# KiCad board woodpecker.kicad_pcb (continued)
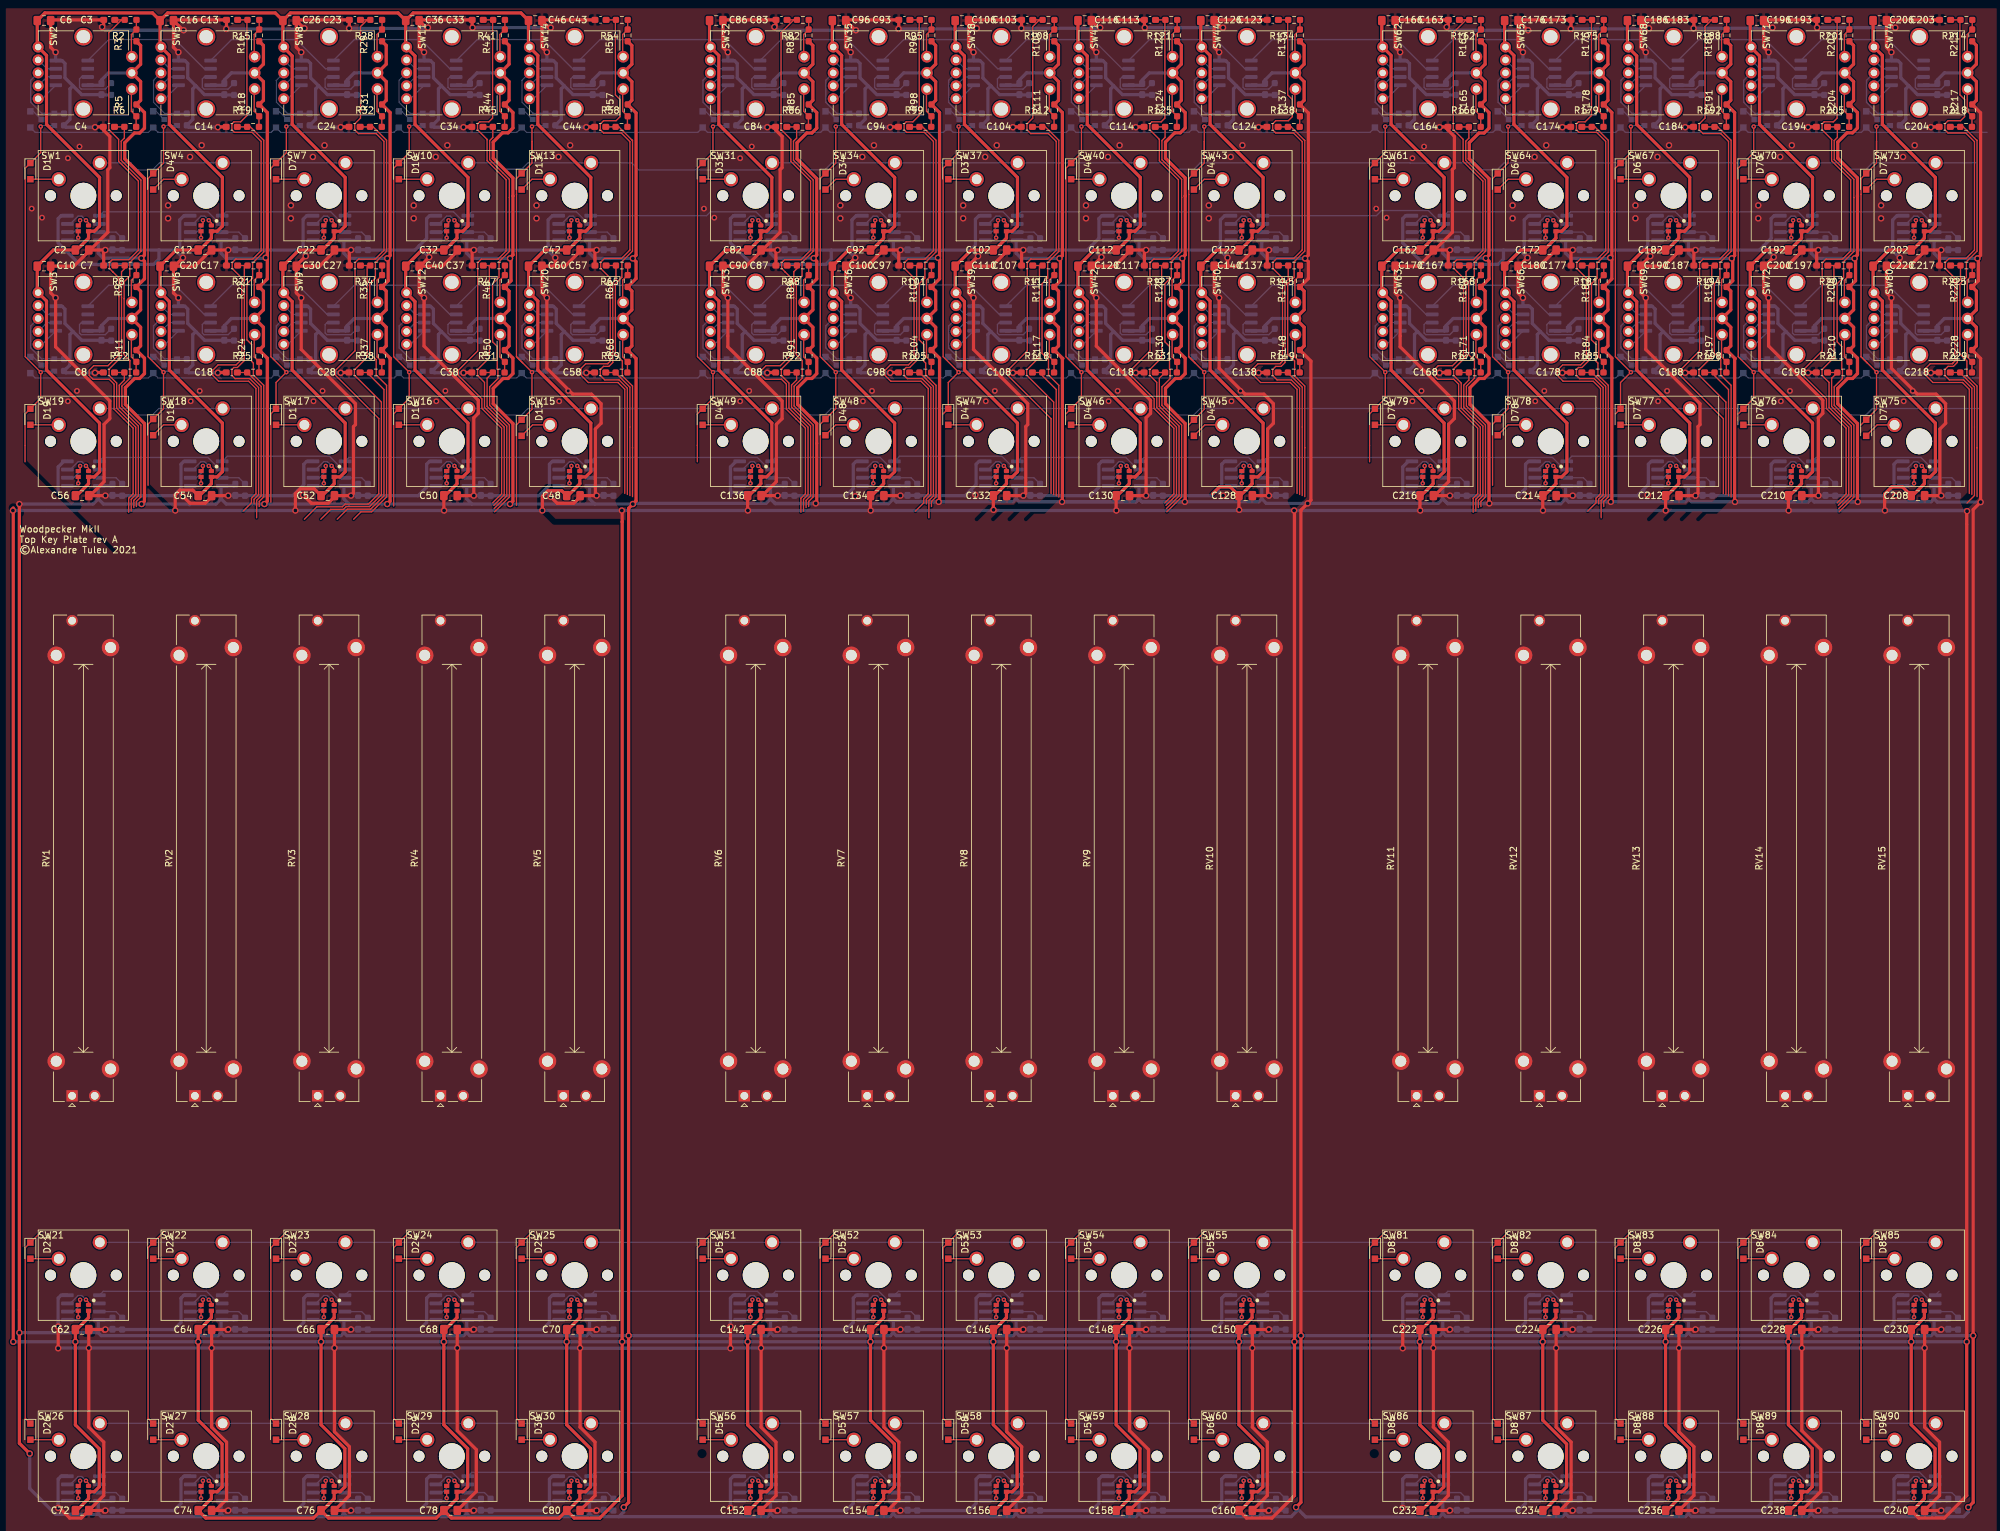
[diagram p0: board, top side]
## Routing (per net, layer and track width the routed paths; a pad name or vN(x,y) marks a point on that pad's centre or on a via; arc(x,y) is an arc through that point) (continued)
Net-(SW38-Pad4): length 3.3
  Bottom w0.2: SW38.4 144.56,223.03 U38.3
Net-(SW39-Pad1): length 3.6
  Bottom w0.2: SW39.1 143.83,180.4 U39.1
Net-(SW39-Pad2): length 3.3
  Bottom w0.2: SW39.2 144.56,183.76 U39.2
Net-(SW39-Pad4): length 3.3
  Bottom w0.2: SW39.4 144.56,185.04 U39.3
Net-(SW40-Pad1): length 4.6
  Top w0.2: v3(169.6,199.6) 170,199.2 SW40.1
  Bottom w0.2: U40.3 167.17,199.03 168.39,200.25 168.95,200.25 v3(169.6,199.6)
Net-(SW40-Pad2): length 4.1
  Top w0.2: SW40.2 168.69,199.09 v3(168.69,199.59)
  Bottom w0.2: U40.2 167.7,197.77 168.69,198.75 v3(168.69,199.59)
Net-(SW40-Pad4): length 2.8
  Top w0.2: v3(168.4,196.9) SW40.4
  Bottom w0.2: v3(168.4,196.9) 167.99,196.5 U40.1
Net-(SW41-Pad1): length 3.6
  Bottom w0.2: SW41.1 162.83,218.4 U41.1
Net-(SW41-Pad2): length 3.3
  Bottom w0.2: SW41.2 163.56,221.77 U41.2
Net-(SW41-Pad4): length 3.3
  Bottom w0.2: SW41.4 163.56,223.03 U41.3
Net-(SW42-Pad1): length 3.6
  Bottom w0.2: SW42.1 162.83,180.4 U42.1
Net-(SW42-Pad2): length 3.3
  Bottom w0.2: SW42.2 163.56,183.76 U42.2
Net-(SW42-Pad4): length 3.3
  Bottom w0.2: SW42.4 163.56,185.04 U42.3
Net-(SW43-Pad1): length 4.6
  Top w0.2: v3(188.6,199.6) 189,199.2 SW43.1
  Bottom w0.2: U43.3 186.17,199.03 187.39,200.25 187.95,200.25 v3(188.6,199.6)
Net-(SW43-Pad2): length 4.1
  Top w0.2: SW43.2 187.69,199.09 v3(187.69,199.59)
  Bottom w0.2: U43.2 186.7,197.77 187.69,198.75 v3(187.69,199.59)
Net-(SW43-Pad4): length 2.8
  Top w0.2: v3(187.4,196.9) SW43.4
  Bottom w0.2: v3(187.4,196.9) 186.99,196.5 U43.1
Net-(SW44-Pad1): length 3.6
  Bottom w0.2: SW44.1 181.83,218.4 U44.1
Net-(SW44-Pad2): length 3.3
  Bottom w0.2: SW44.2 182.56,221.77 U44.2
Net-(SW44-Pad4): length 3.3
  Bottom w0.2: SW44.4 182.56,223.03 U44.3
Net-(SW45-Pad1): length 4.6
  Top w0.2: v3(188.6,161.6) 189,161.2 SW45.1
  Bottom w0.2: U45.3 186.17,161.04 187.39,162.25 187.95,162.25 v3(188.6,161.6)
Net-(SW45-Pad2): length 4.1
  Top w0.2: SW45.2 187.69,161.09 v3(187.69,161.59)
  Bottom w0.2: U45.2 186.7,159.76 187.69,160.75 v3(187.69,161.59)
Net-(SW45-Pad4): length 2.8
  Top w0.2: v3(187.4,158.9) SW45.4
  Bottom w0.2: v3(187.4,158.9) 186.99,158.5 U45.1
Net-(SW46-Pad1): length 4.6
  Top w0.2: v3(169.6,161.6) 170,161.2 SW46.1
  Bottom w0.2: U46.3 167.17,161.04 168.39,162.25 168.95,162.25 v3(169.6,161.6)
Net-(SW46-Pad2): length 4.1
  Top w0.2: SW46.2 168.69,161.09 v3(168.69,161.59)
  Bottom w0.2: U46.2 167.7,159.76 168.69,160.75 v3(168.69,161.59)
Net-(SW46-Pad4): length 2.8
  Top w0.2: v3(168.4,158.9) SW46.4
  Bottom w0.2: v3(168.4,158.9) 167.99,158.5 U46.1
Net-(SW47-Pad1): length 4.6
  Top w0.2: v3(150.6,161.6) 151,161.2 SW47.1
  Bottom w0.2: U47.3 148.17,161.04 149.39,162.25 149.95,162.25 v3(150.6,161.6)
Net-(SW47-Pad2): length 4.1
  Top w0.2: SW47.2 149.69,161.09 v3(149.69,161.59)
  Bottom w0.2: U47.2 148.7,159.76 149.69,160.75 v3(149.69,161.59)
Net-(SW47-Pad4): length 2.8
  Top w0.2: v3(149.4,158.9) SW47.4
  Bottom w0.2: v3(149.4,158.9) 148.99,158.5 U47.1
Net-(SW48-Pad1): length 4.6
  Top w0.2: v3(131.6,161.6) 132,161.2 SW48.1
  Bottom w0.2: U48.3 129.17,161.04 130.39,162.25 130.95,162.25 v3(131.6,161.6)
Net-(SW48-Pad2): length 4.1
  Top w0.2: SW48.2 130.69,161.09 v3(130.69,161.59)
  Bottom w0.2: U48.2 129.7,159.76 130.69,160.75 v3(130.69,161.59)
Net-(SW48-Pad4): length 2.8
  Top w0.2: v3(130.4,158.9) SW48.4
  Bottom w0.2: v3(130.4,158.9) 129.99,158.5 U48.1
Net-(SW49-Pad1): length 4.6
  Top w0.2: v3(112.6,161.6) 113,161.2 SW49.1
  Bottom w0.2: U49.3 110.17,161.04 111.39,162.25 111.95,162.25 v3(112.6,161.6)
Net-(SW49-Pad2): length 4.1
  Top w0.2: SW49.2 111.69,161.09 v3(111.69,161.59)
  Bottom w0.2: U49.2 110.7,159.76 111.69,160.75 v3(111.69,161.59)
Net-(SW49-Pad4): length 2.8
  Top w0.2: v3(111.4,158.9) SW49.4
  Bottom w0.2: v3(111.4,158.9) 110.99,158.5 U49.1
Net-(SW50-Pad1): length 3.6
  Bottom w0.2: SW50.1 181.83,180.4 U50.1
Net-(SW50-Pad2): length 3.3
  Bottom w0.2: SW50.2 182.56,183.76 U50.2
Net-(SW50-Pad4): length 3.3
  Bottom w0.2: SW50.4 182.56,185.04 U50.3
Net-(SW51-Pad1): length 4.6
  Top w0.2: v3(112.6,32.6) 113,32.2 SW51.1
  Bottom w0.2: U51.3 110.17,32.03 111.39,33.25 111.95,33.25 v3(112.6,32.6)
Net-(SW51-Pad2): length 4.1
  Top w0.2: SW51.2 111.69,32.09 v3(111.69,32.59)
  Bottom w0.2: U51.2 110.7,30.77 111.69,31.75 v3(111.69,32.59)
Net-(SW51-Pad4): length 2.8
  Top w0.2: v3(111.4,29.9) SW51.4
  Bottom w0.2: v3(111.4,29.9) 110.99,29.5 U51.1
Net-(SW52-Pad1): length 4.6
  Top w0.2: v3(131.6,32.6) 132,32.2 SW52.1
  Bottom w0.2: U52.3 129.17,32.03 130.39,33.25 130.95,33.25 v3(131.6,32.6)
Net-(SW52-Pad2): length 4.1
  Top w0.2: SW52.2 130.69,32.09 v3(130.69,32.59)
  Bottom w0.2: U52.2 129.7,30.77 130.69,31.75 v3(130.69,32.59)
Net-(SW52-Pad4): length 2.8
  Top w0.2: v3(130.4,29.9) SW52.4
  Bottom w0.2: v3(130.4,29.9) 129.99,29.5 U52.1
Net-(SW53-Pad1): length 4.6
  Top w0.2: v3(150.6,32.6) 151,32.2 SW53.1
  Bottom w0.2: U53.3 148.17,32.03 149.39,33.25 149.95,33.25 v3(150.6,32.6)
Net-(SW53-Pad2): length 4.1
  Top w0.2: SW53.2 149.69,32.09 v3(149.69,32.59)
  Bottom w0.2: U53.2 148.7,30.77 149.69,31.75 v3(149.69,32.59)
Net-(SW53-Pad4): length 2.8
  Top w0.2: v3(149.4,29.9) SW53.4
  Bottom w0.2: v3(149.4,29.9) 148.99,29.5 U53.1
Net-(SW54-Pad1): length 4.6
  Top w0.2: v3(169.6,32.6) 170,32.2 SW54.1
  Bottom w0.2: U54.3 167.17,32.03 168.39,33.25 168.95,33.25 v3(169.6,32.6)
Net-(SW54-Pad2): length 4.1
  Top w0.2: SW54.2 168.69,32.09 v3(168.69,32.59)
  Bottom w0.2: U54.2 167.7,30.77 168.69,31.75 v3(168.69,32.59)
Net-(SW54-Pad4): length 2.8
  Top w0.2: v3(168.4,29.9) SW54.4
  Bottom w0.2: v3(168.4,29.9) 167.99,29.5 U54.1
Net-(SW55-Pad1): length 4.6
  Top w0.2: v3(188.6,32.6) 189,32.2 SW55.1
  Bottom w0.2: U55.3 186.17,32.03 187.39,33.25 187.95,33.25 v3(188.6,32.6)
Net-(SW55-Pad2): length 4.1
  Top w0.2: SW55.2 187.69,32.09 v3(187.69,32.59)
  Bottom w0.2: U55.2 186.7,30.77 187.69,31.75 v3(187.69,32.59)
Net-(SW55-Pad4): length 2.8
  Top w0.2: v3(187.4,29.9) SW55.4
  Bottom w0.2: v3(187.4,29.9) 186.99,29.5 U55.1
Net-(SW56-Pad1): length 4.6
  Top w0.2: v3(112.6,4.6) 113,4.2 SW56.1
  Bottom w0.2: U56.3 110.17,4.03 111.39,5.25 111.95,5.25 v3(112.6,4.6)
Net-(SW56-Pad2): length 4.1
  Top w0.2: SW56.2 111.69,4.09 v3(111.69,4.59)
  Bottom w0.2: U56.2 110.7,2.77 111.69,3.75 v3(111.69,4.59)
Net-(SW56-Pad4): length 2.8
  Top w0.2: v3(111.4,1.9) SW56.4
  Bottom w0.2: v3(111.4,1.9) 110.99,1.5 U56.1
Net-(SW57-Pad1): length 4.6
  Top w0.2: v3(131.6,4.6) 132,4.2 SW57.1
  Bottom w0.2: U57.3 129.17,4.03 130.39,5.25 130.95,5.25 v3(131.6,4.6)
Net-(SW57-Pad2): length 4.1
  Top w0.2: SW57.2 130.69,4.09 v3(130.69,4.59)
  Bottom w0.2: U57.2 129.7,2.77 130.69,3.75 v3(130.69,4.59)
Net-(SW57-Pad4): length 2.8
  Top w0.2: v3(130.4,1.9) SW57.4
  Bottom w0.2: v3(130.4,1.9) 129.99,1.5 U57.1
Net-(SW58-Pad1): length 4.6
  Top w0.2: v3(150.6,4.6) 151,4.2 SW58.1
  Bottom w0.2: U58.3 148.17,4.03 149.39,5.25 149.95,5.25 v3(150.6,4.6)
Net-(SW58-Pad2): length 4.1
  Top w0.2: SW58.2 149.69,4.09 v3(149.69,4.59)
  Bottom w0.2: U58.2 148.7,2.77 149.69,3.75 v3(149.69,4.59)
Net-(SW58-Pad4): length 2.8
  Top w0.2: v3(149.4,1.9) SW58.4
  Bottom w0.2: v3(149.4,1.9) 148.99,1.5 U58.1
Net-(SW59-Pad1): length 4.6
  Top w0.2: v3(169.6,4.6) 170,4.2 SW59.1
  Bottom w0.2: U59.3 167.17,4.03 168.39,5.25 168.95,5.25 v3(169.6,4.6)
Net-(SW59-Pad2): length 4.1
  Top w0.2: SW59.2 168.69,4.09 v3(168.69,4.59)
  Bottom w0.2: U59.2 167.7,2.77 168.69,3.75 v3(168.69,4.59)
Net-(SW59-Pad4): length 2.8
  Top w0.2: v3(168.4,1.9) SW59.4
  Bottom w0.2: v3(168.4,1.9) 167.99,1.5 U59.1
Net-(SW60-Pad1): length 4.6
  Top w0.2: v3(188.6,4.6) 189,4.2 SW60.1
  Bottom w0.2: U60.3 186.17,4.03 187.39,5.25 187.95,5.25 v3(188.6,4.6)
Net-(SW60-Pad2): length 4.1
  Top w0.2: SW60.2 187.69,4.09 v3(187.69,4.59)
  Bottom w0.2: U60.2 186.7,2.77 187.69,3.75 v3(187.69,4.59)
Net-(SW60-Pad4): length 2.8
  Top w0.2: v3(187.4,1.9) SW60.4
  Bottom w0.2: v3(187.4,1.9) 186.99,1.5 U60.1
Net-(SW61-Pad1): length 4.6
  Top w0.2: v3(216.6,199.6) 217,199.2 SW61.1
  Bottom w0.2: U61.3 214.17,199.03 215.39,200.25 215.95,200.25 v3(216.6,199.6)
Net-(SW61-Pad2): length 4.1
  Top w0.2: SW61.2 215.69,199.09 v3(215.69,199.59)
  Bottom w0.2: U61.2 214.7,197.77 215.69,198.75 v3(215.69,199.59)
Net-(SW61-Pad4): length 2.8
  Top w0.2: v3(215.4,196.9) SW61.4
  Bottom w0.2: v3(215.4,196.9) 214.99,196.5 U61.1
Net-(SW62-Pad1): length 3.6
  Bottom w0.2: SW62.1 209.83,218.4 U62.1
Net-(SW62-Pad2): length 3.3
  Bottom w0.2: SW62.2 210.56,221.77 U62.2
Net-(SW62-Pad4): length 3.3
  Bottom w0.2: SW62.4 210.56,223.03 U62.3
Net-(SW63-Pad1): length 3.6
  Bottom w0.2: SW63.1 209.83,180.4 U63.1
Net-(SW63-Pad2): length 3.3
  Bottom w0.2: SW63.2 210.56,183.76 U63.2
Net-(SW63-Pad4): length 3.3
  Bottom w0.2: SW63.4 210.56,185.04 U63.3
Net-(SW64-Pad1): length 4.6
  Top w0.2: v3(235.6,199.6) 236,199.2 SW64.1
  Bottom w0.2: U64.3 233.17,199.03 234.39,200.25 234.95,200.25 v3(235.6,199.6)
Net-(SW64-Pad2): length 4.1
  Top w0.2: SW64.2 234.69,199.09 v3(234.69,199.59)
  Bottom w0.2: U64.2 233.7,197.77 234.69,198.75 v3(234.69,199.59)
Net-(SW64-Pad4): length 2.8
  Top w0.2: v3(234.4,196.9) SW64.4
  Bottom w0.2: v3(234.4,196.9) 234,196.5 U64.1
Net-(SW65-Pad1): length 3.6
  Bottom w0.2: SW65.1 228.83,218.4 230.93,220.5
Net-(SW65-Pad2): length 3.3
  Bottom w0.2: SW65.2 229.56,221.77 230.93,221.77
Net-(SW65-Pad4): length 3.3
  Bottom w0.2: SW65.4 229.56,223.03 230.93,223.03
Net-(SW66-Pad1): length 3.6
  Bottom w0.2: SW66.1 228.83,180.4 230.93,182.5
Net-(SW66-Pad2): length 3.3
  Bottom w0.2: SW66.2 229.56,183.76 230.93,183.76
Net-(SW66-Pad4): length 3.3
  Bottom w0.2: SW66.4 229.56,185.04 230.93,185.04
Net-(SW67-Pad1): length 4.6
  Top w0.2: v3(254.6,199.6) 255,199.2 SW67.1
  Bottom w0.2: U67.3 252.17,199.03 253.39,200.25 253.95,200.25 v3(254.6,199.6)
Net-(SW67-Pad2): length 4.1
  Top w0.2: SW67.2 253.69,199.09 v3(253.69,199.59)
  Bottom w0.2: U67.2 252.7,197.77 253.69,198.75 v3(253.69,199.59)
Net-(SW67-Pad4): length 2.8
  Top w0.2: v3(253.4,196.9) SW67.4
  Bottom w0.2: v3(253.4,196.9) 253,196.5 U67.1
Net-(SW68-Pad1): length 3.6
  Bottom w0.2: SW68.1 247.83,218.4 U68.1
Net-(SW68-Pad2): length 3.3
  Bottom w0.2: SW68.2 248.56,221.77 U68.2
Net-(SW68-Pad4): length 3.3
  Bottom w0.2: SW68.4 248.56,223.03 U68.3
Net-(SW69-Pad1): length 3.6
  Bottom w0.2: SW69.1 247.83,180.4 U69.1
Net-(SW69-Pad2): length 3.3
  Bottom w0.2: SW69.2 248.56,183.76 U69.2
Net-(SW69-Pad4): length 3.3
  Bottom w0.2: SW69.4 248.56,185.04 U69.3
Net-(SW70-Pad1): length 4.6
  Top w0.2: v3(273.6,199.6) 274,199.2 SW70.1
  Bottom w0.2: U70.3 271.17,199.03 272.39,200.25 272.95,200.25 v3(273.6,199.6)
Net-(SW70-Pad2): length 4.1
  Top w0.2: SW70.2 272.69,199.09 v3(272.69,199.59)
  Bottom w0.2: U70.2 271.7,197.77 272.69,198.75 v3(272.69,199.59)
Net-(SW70-Pad4): length 2.8
  Top w0.2: v3(272.4,196.9) SW70.4
  Bottom w0.2: v3(272.4,196.9) 272,196.5 U70.1
Net-(SW71-Pad1): length 3.6
  Bottom w0.2: SW71.1 266.83,218.4 U71.1
Net-(SW71-Pad2): length 3.3
  Bottom w0.2: SW71.2 267.56,221.77 U71.2
Net-(SW71-Pad4): length 3.3
  Bottom w0.2: SW71.4 267.56,223.03 U71.3
Net-(SW72-Pad1): length 3.6
  Bottom w0.2: SW72.1 266.83,180.4 U72.1
Net-(SW72-Pad2): length 3.3
  Bottom w0.2: SW72.2 267.56,183.76 U72.2
Net-(SW72-Pad4): length 3.3
  Bottom w0.2: SW72.4 267.56,185.04 U72.3
Net-(SW73-Pad1): length 4.6
  Top w0.2: v3(292.6,199.6) 293,199.2 SW73.1
  Bottom w0.2: U73.3 290.17,199.03 291.39,200.25 291.95,200.25 v3(292.6,199.6)
Net-(SW73-Pad2): length 4.1
  Top w0.2: SW73.2 291.69,199.09 v3(291.69,199.59)
  Bottom w0.2: U73.2 290.7,197.77 291.69,198.75 v3(291.69,199.59)
Net-(SW73-Pad4): length 2.8
  Top w0.2: v3(291.4,196.9) SW73.4
  Bottom w0.2: v3(291.4,196.9) 291,196.5 U73.1
Net-(SW74-Pad1): length 3.6
  Bottom w0.2: SW74.1 285.83,218.4 U74.1
Net-(SW74-Pad2): length 3.3
  Bottom w0.2: SW74.2 286.56,221.77 U74.2
Net-(SW74-Pad4): length 3.3
  Bottom w0.2: SW74.4 286.56,223.03 U74.3
Net-(SW75-Pad1): length 4.6
  Top w0.2: v3(292.6,161.6) 293,161.2 SW75.1
  Bottom w0.2: U75.3 290.17,161.04 291.39,162.25 291.95,162.25 v3(292.6,161.6)
Net-(SW75-Pad2): length 4.1
  Top w0.2: SW75.2 291.69,161.09 v3(291.69,161.59)
  Bottom w0.2: U75.2 290.7,159.76 291.69,160.75 v3(291.69,161.59)
Net-(SW75-Pad4): length 2.8
  Top w0.2: v3(291.4,158.9) SW75.4
  Bottom w0.2: v3(291.4,158.9) 291,158.5 U75.1
Net-(SW76-Pad1): length 4.6
  Top w0.2: v3(273.6,161.6) 274,161.2 SW76.1
  Bottom w0.2: U76.3 271.17,161.04 272.39,162.25 272.95,162.25 v3(273.6,161.6)
Net-(SW76-Pad2): length 4.1
  Top w0.2: SW76.2 272.69,161.09 v3(272.69,161.59)
  Bottom w0.2: U76.2 271.7,159.76 272.69,160.75 v3(272.69,161.59)
Net-(SW76-Pad4): length 2.8
  Top w0.2: v3(272.4,158.9) SW76.4
  Bottom w0.2: v3(272.4,158.9) 272,158.5 U76.1
Net-(SW77-Pad1): length 4.6
  Top w0.2: v3(254.6,161.6) 255,161.2 SW77.1
  Bottom w0.2: U77.3 252.17,161.04 253.39,162.25 253.95,162.25 v3(254.6,161.6)
Net-(SW77-Pad2): length 4.1
  Top w0.2: SW77.2 253.69,161.09 v3(253.69,161.59)
  Bottom w0.2: U77.2 252.7,159.76 253.69,160.75 v3(253.69,161.59)
Net-(SW77-Pad4): length 2.8
  Top w0.2: v3(253.4,158.9) SW77.4
  Bottom w0.2: v3(253.4,158.9) 253,158.5 U77.1
Net-(SW78-Pad1): length 4.6
  Top w0.2: v3(235.6,161.6) 236,161.2 SW78.1
  Bottom w0.2: U78.3 233.17,161.04 234.39,162.25 234.95,162.25 v3(235.6,161.6)
Net-(SW78-Pad2): length 4.1
  Top w0.2: SW78.2 234.69,161.09 v3(234.69,161.59)
  Bottom w0.2: U78.2 233.7,159.76 234.69,160.75 v3(234.69,161.59)
Net-(SW78-Pad4): length 2.8
  Top w0.2: v3(234.4,158.9) SW78.4
  Bottom w0.2: v3(234.4,158.9) 234,158.5 U78.1
Net-(SW79-Pad1): length 4.6
  Top w0.2: v3(216.6,161.6) 217,161.2 SW79.1
  Bottom w0.2: U79.3 214.17,161.04 215.39,162.25 215.95,162.25 v3(216.6,161.6)
Net-(SW79-Pad2): length 4.1
  Top w0.2: SW79.2 215.69,161.09 v3(215.69,161.59)
  Bottom w0.2: U79.2 214.7,159.76 215.69,160.75 v3(215.69,161.59)
Net-(SW79-Pad4): length 2.8
  Top w0.2: v3(215.4,158.9) SW79.4
  Bottom w0.2: v3(215.4,158.9) 214.99,158.5 U79.1
Net-(SW80-Pad1): length 3.6
  Bottom w0.2: SW80.1 285.83,180.4 U80.1
Net-(SW80-Pad2): length 3.3
  Bottom w0.2: SW80.2 286.56,183.76 U80.2
Net-(SW80-Pad4): length 3.3
  Bottom w0.2: SW80.4 286.56,185.04 U80.3
Net-(SW81-Pad1): length 4.6
  Top w0.2: v3(216.6,32.6) 217,32.2 SW81.1
  Bottom w0.2: U81.3 214.17,32.03 215.39,33.25 215.95,33.25 v3(216.6,32.6)
Net-(SW81-Pad2): length 4.1
  Top w0.2: SW81.2 215.69,32.09 v3(215.69,32.59)
  Bottom w0.2: U81.2 214.7,30.77 215.69,31.75 v3(215.69,32.59)
Net-(SW81-Pad4): length 2.8
  Top w0.2: v3(215.4,29.9) SW81.4
  Bottom w0.2: v3(215.4,29.9) 214.99,29.5 U81.1
Net-(SW82-Pad1): length 4.6
  Top w0.2: v3(235.6,32.6) 236,32.2 SW82.1
  Bottom w0.2: U82.3 233.17,32.03 234.39,33.25 234.95,33.25 v3(235.6,32.6)
Net-(SW82-Pad2): length 4.1
  Top w0.2: SW82.2 234.69,32.09 v3(234.69,32.59)
  Bottom w0.2: U82.2 233.7,30.77 234.69,31.75 v3(234.69,32.59)
Net-(SW82-Pad4): length 2.8
  Top w0.2: v3(234.4,29.9) SW82.4
  Bottom w0.2: v3(234.4,29.9) 234,29.5 U82.1
Net-(SW83-Pad1): length 4.6
  Top w0.2: v3(254.6,32.6) 255,32.2 SW83.1
  Bottom w0.2: U83.3 252.17,32.03 253.39,33.25 253.95,33.25 v3(254.6,32.6)
Net-(SW83-Pad2): length 4.1
  Top w0.2: SW83.2 253.69,32.09 v3(253.69,32.59)
  Bottom w0.2: U83.2 252.7,30.77 253.69,31.75 v3(253.69,32.59)
Net-(SW83-Pad4): length 2.8
  Top w0.2: v3(253.4,29.9) SW83.4
  Bottom w0.2: v3(253.4,29.9) 253,29.5 U83.1
Net-(SW84-Pad1): length 4.6
  Top w0.2: v3(273.6,32.6) 274,32.2 SW84.1
  Bottom w0.2: U84.3 271.17,32.03 272.39,33.25 272.95,33.25 v3(273.6,32.6)
Net-(SW84-Pad2): length 4.1
  Top w0.2: SW84.2 272.69,32.09 v3(272.69,32.59)
  Bottom w0.2: U84.2 271.7,30.77 272.69,31.75 v3(272.69,32.59)
Net-(SW84-Pad4): length 2.8
  Top w0.2: v3(272.4,29.9) SW84.4
  Bottom w0.2: v3(272.4,29.9) 272,29.5 U84.1
Net-(SW85-Pad1): length 4.6
  Top w0.2: v3(292.6,32.6) 293,32.2 SW85.1
  Bottom w0.2: U85.3 290.17,32.03 291.39,33.25 291.95,33.25 v3(292.6,32.6)
Net-(SW85-Pad2): length 4.1
  Top w0.2: SW85.2 291.69,32.09 v3(291.69,32.59)
  Bottom w0.2: U85.2 290.7,30.77 291.69,31.75 v3(291.69,32.59)
Net-(SW85-Pad4): length 2.8
  Top w0.2: v3(291.4,29.9) SW85.4
  Bottom w0.2: v3(291.4,29.9) 291,29.5 U85.1
Net-(SW86-Pad1): length 4.6
  Top w0.2: v3(216.6,4.6) 217,4.2 SW86.1
  Bottom w0.2: U86.3 214.17,4.03 215.39,5.25 215.95,5.25 v3(216.6,4.6)
Net-(SW86-Pad2): length 4.1
  Top w0.2: SW86.2 215.69,4.09 v3(215.69,4.59)
  Bottom w0.2: U86.2 214.7,2.77 215.69,3.75 v3(215.69,4.59)
Net-(SW86-Pad4): length 2.8
  Top w0.2: v3(215.4,1.9) SW86.4
  Bottom w0.2: v3(215.4,1.9) 214.99,1.5 U86.1
Net-(SW87-Pad1): length 4.6
  Top w0.2: v3(235.6,4.6) 236,4.2 SW87.1
  Bottom w0.2: U87.3 233.17,4.03 234.39,5.25 234.95,5.25 v3(235.6,4.6)
Net-(SW87-Pad2): length 4.1
  Top w0.2: SW87.2 234.69,4.09 v3(234.69,4.59)
  Bottom w0.2: U87.2 233.7,2.77 234.69,3.75 v3(234.69,4.59)
Net-(SW87-Pad4): length 2.8
  Top w0.2: v3(234.4,1.9) SW87.4
  Bottom w0.2: v3(234.4,1.9) 234,1.5 U87.1
Net-(SW88-Pad1): length 4.6
  Top w0.2: v3(254.6,4.6) 255,4.2 SW88.1
  Bottom w0.2: U88.3 252.17,4.03 253.39,5.25 253.95,5.25 v3(254.6,4.6)
Net-(SW88-Pad2): length 4.1
  Top w0.2: SW88.2 253.69,4.09 v3(253.69,4.59)
  Bottom w0.2: U88.2 252.7,2.77 253.69,3.75 v3(253.69,4.59)
Net-(SW88-Pad4): length 2.8
  Top w0.2: v3(253.4,1.9) SW88.4
  Bottom w0.2: v3(253.4,1.9) 253,1.5 U88.1
Net-(SW89-Pad1): length 4.6
  Top w0.2: v3(273.6,4.6) 274,4.2 SW89.1
  Bottom w0.2: U89.3 271.17,4.03 272.39,5.25 272.95,5.25 v3(273.6,4.6)
Net-(SW89-Pad2): length 4.1
  Top w0.2: SW89.2 272.69,4.09 v3(272.69,4.59)
  Bottom w0.2: U89.2 271.7,2.77 272.69,3.75 v3(272.69,4.59)
Net-(SW89-Pad4): length 2.8
  Top w0.2: v3(272.4,1.9) SW89.4
  Bottom w0.2: v3(272.4,1.9) 272,1.5 U89.1
Net-(SW90-Pad1): length 4.6
  Top w0.2: v3(292.6,4.6) 293,4.2 SW90.1
  Bottom w0.2: U90.3 290.17,4.03 291.39,5.25 291.95,5.25 v3(292.6,4.6)
Net-(SW90-Pad2): length 4.1
  Top w0.2: SW90.2 291.69,4.09 v3(291.69,4.59)
  Bottom w0.2: U90.2 290.7,2.77 291.69,3.75 v3(291.69,4.59)
Net-(SW90-Pad4): length 2.8
  Top w0.2: v3(291.4,1.9) SW90.4
  Bottom w0.2: v3(291.4,1.9) 291,1.5 U90.1

## Copper pours and planes (outline as drawn; the poured copper is in the pictures)
GND on Top: 304.2,-3.6 -3.8,-3.6 -3.8,232.4 304.2,232.4
GND on Bottom: 304.2,-3.6 -3.8,-3.6 -3.8,232.4 304.2,232.4

## Text on the board
F.SilkS: Woodpecker MkII / Top Key Plate rev A / ©Alexandre Tuleu 2021
